# Altium PCB radxa_cm3i_io_board_v1.4.PcbDoc (part 7 of 9)
Units mil, origin at the board's own origin, x right, y up, seen from the top; angles counter-clockwise.
Board outline 7886.22 x 5511.42 mil, 4 copper layers (Top, GND, Power, Bottom), stack 35.4 mil thick; 724 components, 544 nets, 2607 pads, 3449 vias.
Unrouted connection lines stored in the file: 2847.
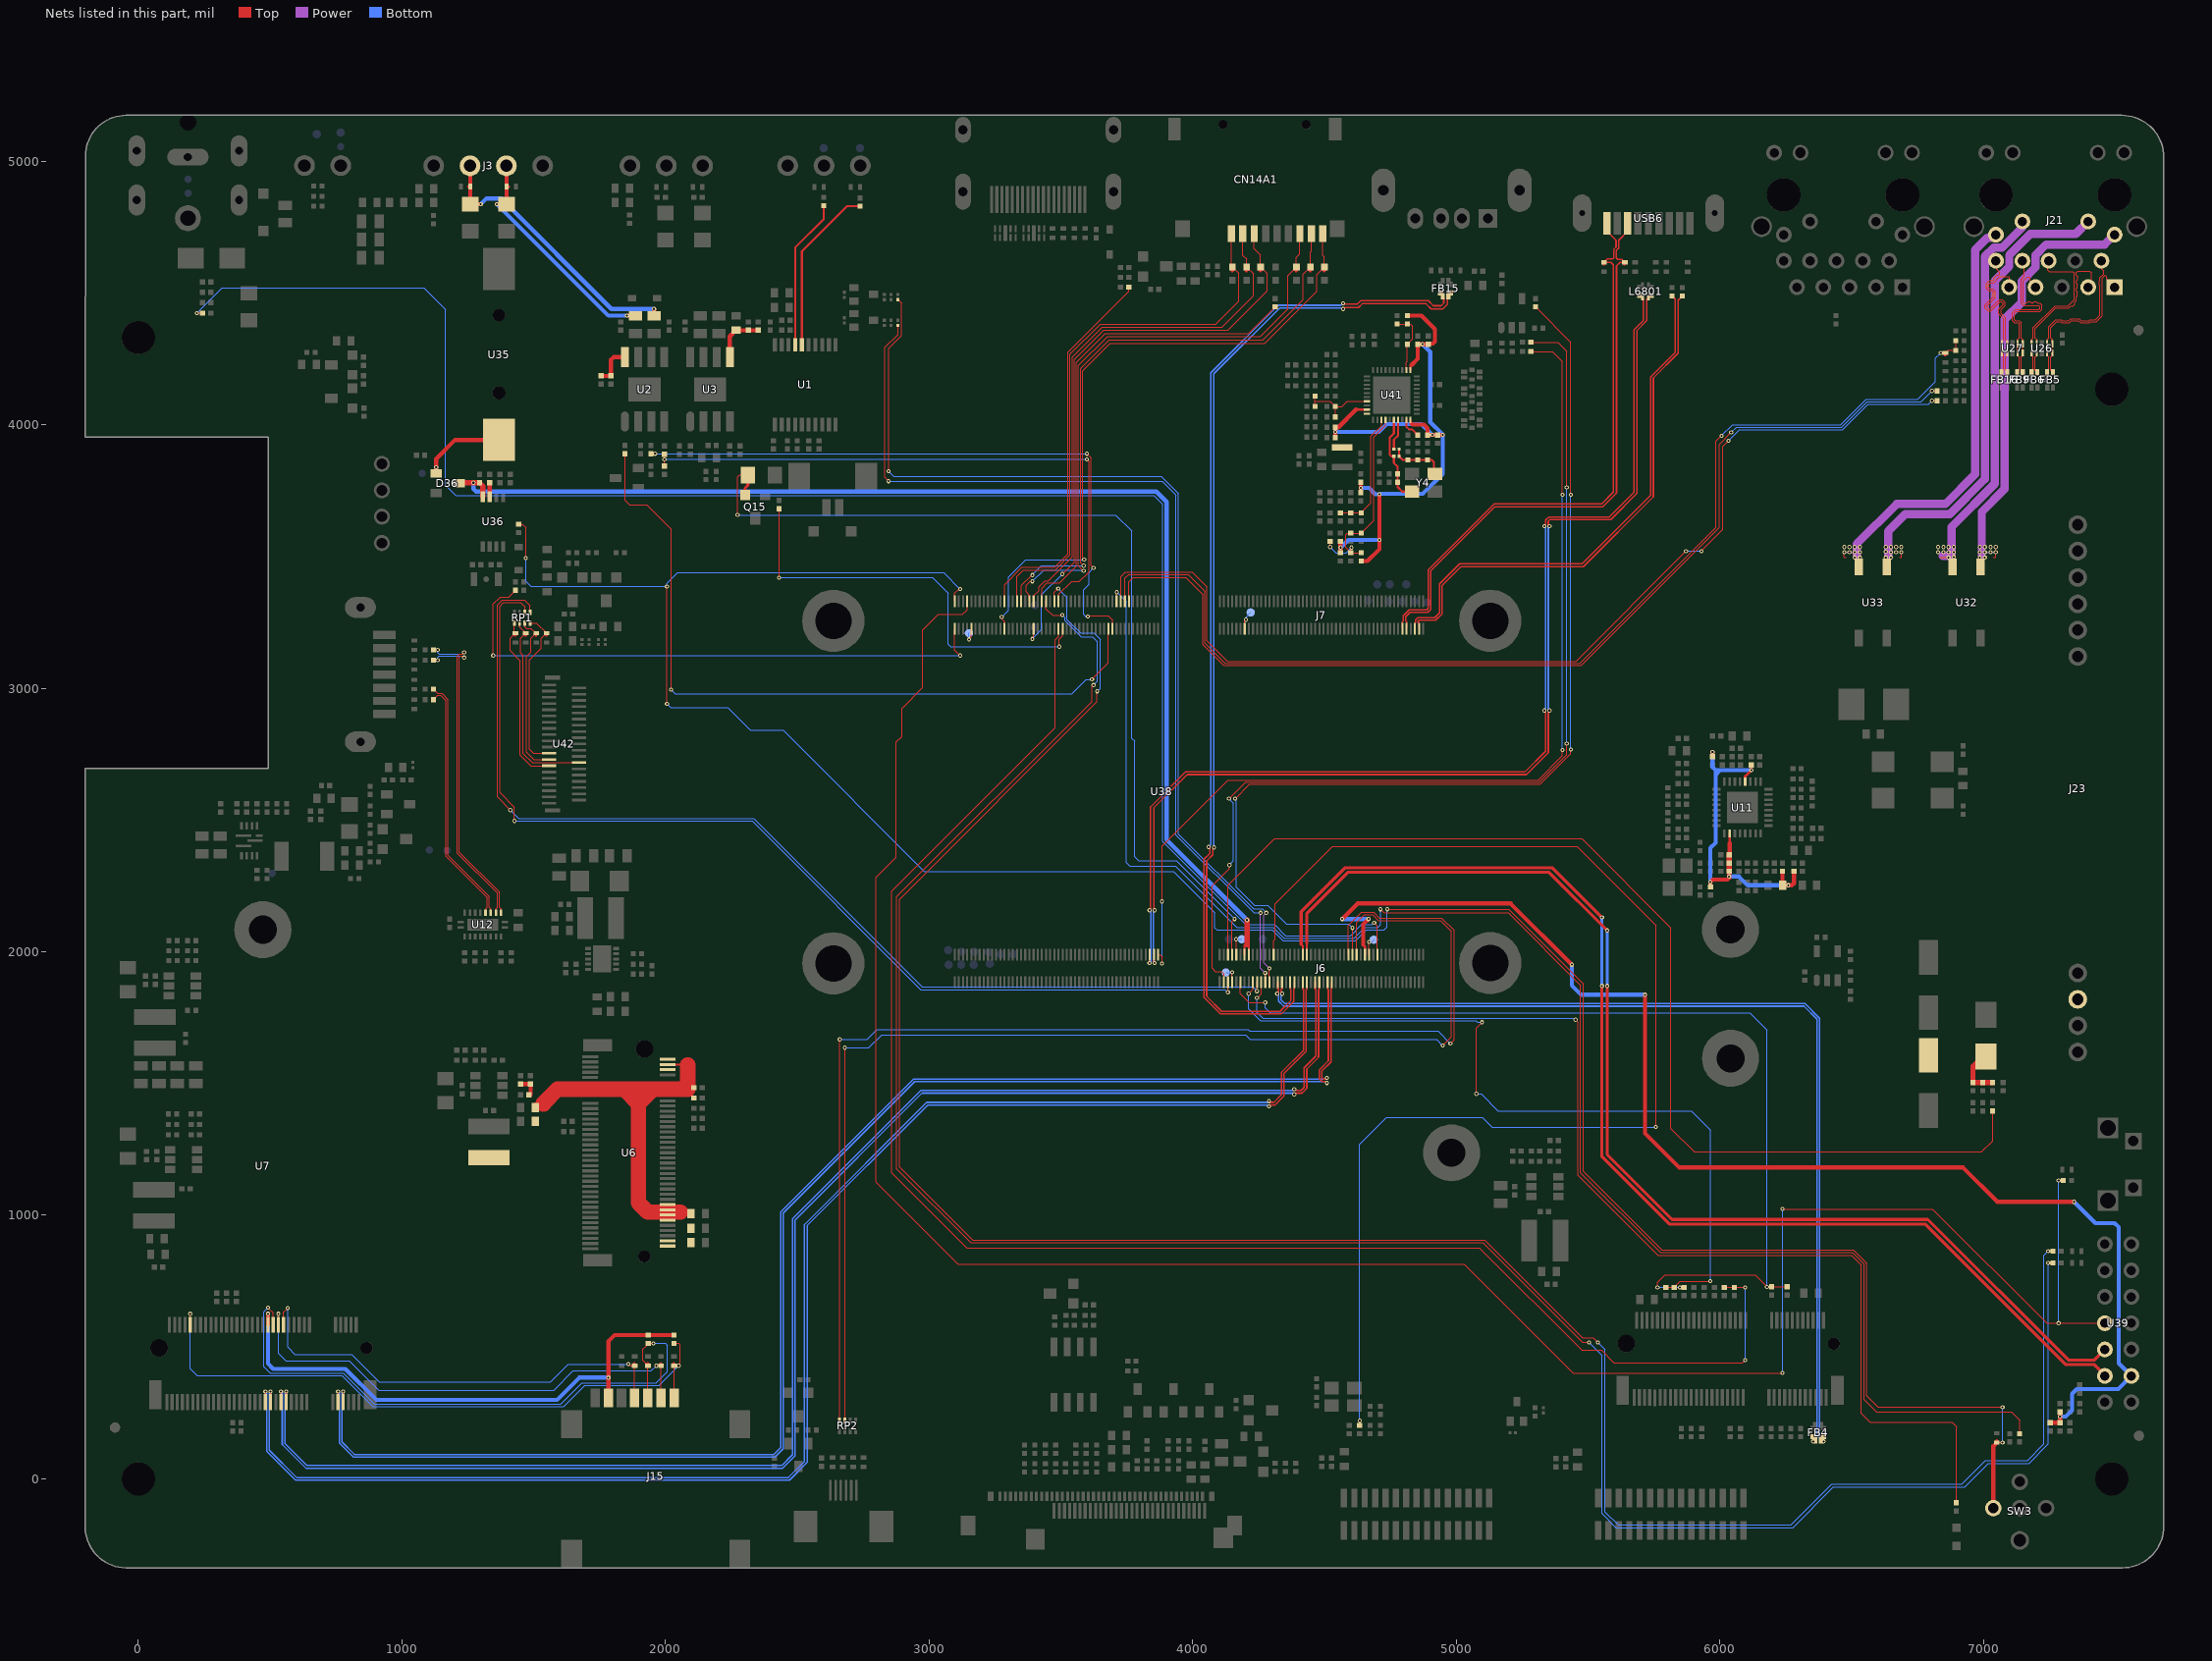
[diagram p9: the nets of this part, all layers, seen from the top]

## Via types
v1: diameter 15.75, hole 7.87, Top to Bottom, 3415 vias
v2: diameter 19.68, hole 11.81, Top to Bottom, 34 vias

## Nets (pads, with @x,y where several pads share a name; then routed paths per layer and width w, separated by ;. In a path a pad name is that pad's centre, name@x,y a point inside that pad or via, vN(x,y) a via of type N, cw(c..) or ccw(c..) an arc to the next point about the centre after c; other vN are vias at no path point) (continued)
PHY1_LED0_Y1: R234.1 U38.19 | length 4053.2
  Top w3.94: U38.19@3727.36,3329.92 3727.36,3423.23 3745.08,3440.94 3998.03,3440.94 4055.12,3383.86 4055.12,3179.13 4131.89,3102.36 5454.72,3102.36 v1(5872.05,3519.69) ; v1(5931.1,3519.69) 5931.1,3522.75 6011.81,3603.46 6011.81,3917.32 v1(6033.46,3938.98) ; v1(6805.12,4090.55) R234.1@6824.8,4090.55
  Bottom w3.94: v1(5872.05,3519.69) v1(5931.1,3519.69) ; v1(6033.46,3938.98) 6074.8,3980.31 6466.54,3980.31 6562.99,4076.77 6791.34,4076.77 v1(6805.12,4090.55)
PHY1_LED1/CFG_LDO0: C243.1 R369.1 R384.2 U41.33 | length 462.9
  Top w3.94: R384.2@4561.02,3665.35 R369.1@4600.39,3665.35 C243.1@4639.76,3665.35 4677.17,3702.76 4677.17,3956.69 4716.54,3996.06 U41.33@4716.54,4017.72
PHY1_LED1_G: D26.2 R230.2 R231.1 U38.17 | length 4273.6
  Top w3.94: U38.17@3743.11,3329.92 3743.11,3417.32 3757.87,3432.09 3983.27,3432.09 4047.24,3368.11 4047.24,3171.26 4124.02,3094.49 5470.47,3094.49 5986.22,3610.24 5986.22,3937.01 v1(6006.89,3957.68) ; v1(6838.58,4271.65) D26.2@6856.3,4271.65 6866.14,4281.5 R230.2@6895.67,4281.5 R231.1@6895.67,4318.9
  Bottom w3.94: v1(6006.89,3957.68) 6049.21,4000 6458.66,4000 6555.12,4096.46 6751.97,4096.46 6818.9,4163.39 6818.9,4251.97 v1(6838.58,4271.65)
PHY1_LED2/CFG_LDO1: C242.1 R367.1 R368.2 R375.2 R376.1 U41.34 | length 785.4
  Top w3.94: v1(4521.65,3535.43) R375.2@4521.65,3557.09 ; v1(4602.36,3533.46) 4600.39,3531.5 R376.1@4600.39,3513.78 ; R368.2@4639.76,3513.78 R376.1@4600.39,3513.78 ; U41.34@4732.28,4017.72 4732.28,3998.03 4687.01,3952.76 4687.01,3635.83 C242.1@4639.76,3588.58 R367.1@4600.39,3588.58 4586.61,3588.58 4580.71,3582.68 4580.71,3533.46 R376.1@4600.39,3513.78
  Bottom w3.94: v1(4521.65,3535.43) 4543.31,3513.78 4582.68,3513.78 v1(4602.36,3533.46)
PHY1_LED2_Y: R233.1 U38.15 | length 4011.2
  Top w3.94: U38.15@3758.86,3329.92 3758.86,3403.54 3775.59,3420.28 3973.43,3420.28 4039.37,3354.33 4039.37,3165.35 4118.11,3086.61 5474.41,3086.61 5998.03,3610.24 5998.03,3925.2 v1(6043.31,3970.47) ; v1(6805.12,4127.95) R233.1@6824.8,4127.95
  Bottom w3.94: v1(6043.31,3970.47) 6062.99,3990.16 6462.6,3990.16 6559.06,4086.61 6763.78,4086.61 v1(6805.12,4127.95)
PHY1_MDI0+: FB5.2 J21.1 U26.1 U26.10 | length 619
  Top w3.94: FB5.2@7263.78,4198.82 7255.9,4206.69 7255.9,4256.89 7261.81,4262.8 U26.10@7261.81,4272.15 U26.1@7261.81,4306.59 7261.81,4322.83 7255.91,4328.74 7255.91,4368.11 7277.56,4389.76 7293.98,4389.76 7297.92,4385.83 7326.77,4385.83 7334.65,4393.7 7360.91,4393.7 7368.79,4385.83 7403.54,4385.83 7407.48,4389.76 7428.46,4389.76 7450.79,4412.09 7450.79,4555.46 7461.73,4566.4 7468.61,4559.52 7468.61,4553.05 7498.03,4523.62 J21.1@7498.03,4521.65
PHY1_MDI0-: FB5.3 J21.2 U26.2 U26.9 | length 619.6
  Top w3.94: FB5.3@7242.13,4198.82 7248.03,4204.72 7248.03,4256.89 7242.12,4262.8 U26.9@7242.12,4272.15 U26.2@7242.12,4306.59 7242.12,4322.83 7248.03,4328.74 7248.03,4371.37 7274.3,4397.64 7297.24,4397.64 7301.18,4393.7 7323.51,4393.7 7331.38,4401.57 7364.17,4401.57 7372.05,4393.7 7400.28,4393.7 7404.22,4397.64 7425.2,4397.64 7442.91,4415.35 7442.91,4527.56 7440.94,4529.53 7440.94,4545.28 7442.91,4547.24 7442.91,4558.72 7456.16,4571.96 7456.16,4583.52 7450,4589.69 7450,4619.69 J21.2@7448.03,4621.65
PHY1_MDI1+: FB6.2 J21.3 U26.4 U26.7 | length 618.8
  Top w3.94: FB6.2@7204.72,4198.82 7196.85,4206.69 7196.85,4256.89 7202.76,4262.8 U26.7@7202.76,4272.15 U26.4@7202.76,4306.59 7202.76,4322.83 7196.85,4328.74 7196.85,4364.85 7274.91,4442.91 7324.8,4442.91 7332.68,4450.79 7340.55,4450.79 7346.46,4456.69 7346.46,4464.57 7352.36,4470.47 7352.36,4484.25 7356.3,4488.19 7356.3,4503.94 7352.36,4507.87 7352.36,4517.72 7356.3,4521.65 7356.3,4533.46 7352.36,4537.4 7352.36,4545.28 7358.27,4551.18 7358.27,4561.02 7352.36,4566.93 7352.36,4576.77 7358.27,4582.68 7403.54,4582.68 7409.45,4576.77 7409.45,4531.1 7404.46,4526.11 7402.49,4526.11 J21.3@7398.03,4521.65
PHY1_MDI1-: FB6.3 J21.6 U26.5 U26.6 | length 619.3
  Top w3.94: FB6.3@7183.07,4198.82 7183.07,4200.78 7188.98,4206.69 7188.98,4256.89 7183.07,4262.8 U26.6@7183.07,4272.15 U26.5@7183.07,4306.59 7183.07,4322.83 7188.98,4328.74 7188.98,4368.11 7271.65,4450.79 7321.54,4450.79 7344.49,4473.73 7344.49,4575.43 7339.21,4580.71 7250,4580.71 7244.09,4586.61 7244.09,4617.72 J21.6@7248.03,4621.65
PHY1_MDI2+: FB9.2 J21.7 U27.1 U27.10 | length 618.1
  Top w3.94: FB9.2@7149.61,4198.82 7143.7,4204.72 7143.7,4256.89 7149.61,4262.8 U27.10@7149.61,4272.15 U27.1@7149.61,4306.59 7149.61,4322.83 7143.7,4328.74 7143.7,4385.83 7135.83,4393.7 7122.05,4393.7 7118.11,4397.64 7118.11,4423.23 7124.02,4429.13 7214.88,4429.13 7222.44,4436.7 7222.44,4453.06 7214.88,4460.63 7206.69,4460.63 7200.79,4466.54 7192.91,4466.54 7187.01,4460.63 7183.07,4460.63 7177.17,4466.54 7169.29,4466.54 7163.39,4460.63 7154.53,4460.63 7151.57,4463.58 7151.57,4544.83 7165.8,4559.06 7173.03,4559.06 7177.4,4554.69 7177.4,4544.26 7198.03,4523.62 J21.7@7198.03,4521.65
PHY1_MDI2-: FB9.3 J21.8 U27.2 U27.9 | length 618.8
  Top w3.94: FB9.3@7127.95,4198.82 7135.82,4206.69 7135.82,4256.89 7129.92,4262.8 U27.9@7129.92,4272.15 U27.2@7129.92,4306.59 7129.92,4322.83 7135.82,4328.74 7135.82,4382.57 7132.57,4385.83 7118.79,4385.83 7110.24,4394.38 7110.24,4397.64 7110.24,4426.49 7120.75,4437.01 7211.61,4437.01 7214.57,4439.96 7214.57,4449.8 7211.61,4452.76 7151.27,4452.76 7143.7,4460.32 7143.7,4551.18 7155.51,4562.99 7155.51,4614.17 J21.8@7148.03,4621.65
PHY1_MDI3+: FB16.2 J21.9 U27.4 U27.7 | length 618.7
  Top w3.94: FB16.2@7090.55,4198.82 7084.65,4204.72 7084.65,4256.89 7090.56,4262.8 U27.7@7090.56,4272.15 U27.4@7090.56,4306.59 7090.56,4315.94 7084.65,4321.85 7084.65,4405.17 7066.93,4422.89 7066.93,4436.33 7082.42,4451.82 7082.42,4462.52 7070.85,4474.09 7060.15,4474.09 7025.65,4439.59 7021.47,4439.59 7014.51,4446.55 7014.51,4450.73 7045.28,4481.49 7045.28,4505.91 7035.43,4515.75 7024.92,4515.75 7019.68,4520.98 7019.68,4531.83 7025.25,4537.4 7039.03,4537.4 7062.47,4560.84 7094.67,4560.84 7100,4555.51 7100,4526.6 7098.03,4524.63 J21.9@7098.03,4521.65
PHY1_MDI3-: FB16.3 J21.10 U27.5 U27.6 | length 618.5
  Top w3.94: J21.10@7048.03,4621.65 7050,4619.69 7050,4589.69 7062.15,4577.54 7062.15,4571.65 7057.42,4566.93 7051.18,4566.93 7041.34,4557.09 7041.34,4550.84 7037.4,4546.91 7023.62,4546.91 7011.81,4535.1 7011.81,4517.72 7021.65,4507.87 7032.17,4507.87 7037.4,4502.64 7037.4,4484.75 7006.64,4453.99 7006.64,4443.29 7018.21,4431.72 7028.91,4431.72 7063.41,4466.22 7067.58,4466.22 7074.54,4459.26 7074.54,4455.08 7059.06,4439.59 7059.06,4419.63 7076.77,4401.91 7076.77,4321.85 7070.87,4315.94 U27.5@7070.87,4306.59 U27.6@7070.87,4272.15 7076.77,4266.24 7076.77,4206.69 FB16.3@7068.9,4198.82
PHY1_REG_OUT: L6803.1 U41.30
PHY1_RSTN: C245.1 R392.2 R393.2 U41.12 | length 239.4
  Top w3.94: R393.2@4775.59,4381.89 R392.2@4814.96,4381.89 4826.77,4381.89 4834.65,4374.02 4834.65,4324.8 C245.1@4814.96,4305.12 4814.96,4240.16 4811.02,4236.22 U41.12@4811.02,4206.69
PHY1_RXCLK/PHYAD1: C262.1 R378.1 R381.2 R400.1 U41.27 | length 291.9
  Top w3.94: R400.1@4464.57,4068.9 4464.57,4088.58 ; R381.2@4464.57,4108.27 4464.57,4088.58 ; R378.1@4541.34,4029.53 C262.1@4541.34,4068.9 ; U41.27@4661.42,4088.58 4586.61,4088.58 4566.93,4068.9 C262.1@4541.34,4068.9 ; 4464.57,4088.58 4521.65,4088.58 C262.1@4541.34,4068.9
PHY1_XTALIN: C239.1 R360.2 R361.1 U41.36 Y4.3 | length 340.9
  Top w7.87: U41.36@4763.78,4017.72 4763.78,3966.54 4748.03,3950.79 4748.03,3885.83 4753.94,3879.92 R360.2@4763.78,3879.92 4763.78,3854.33 4777.56,3840.55 C239.1@4777.56,3812.99 R361.1@4777.56,3781.5 4777.56,3763.78 4795.27,3746.07 Y4.3@4832.67,3746.07
PHY1_XTALOUT: C238.1 C240.1 R359.1 R360.1 R362.2 Y4.1 | length 215.3
  Top w7.87: R359.1@4783.46,3907.48 R360.1@4783.46,3879.92 4797.24,3866.14 C238.1@4816.93,3866.14 C240.1@4854.33,3866.14 R362.2@4891.73,3866.14 4907.48,3866.14 4915.35,3858.27 4915.35,3816.93 Y4.1@4919.3,3812.99
PHY1_XTALOUT1: R359.2 U41.37 | length 116.8
  Top w7.87: R359.2@4763.78,3907.48 4763.78,3942.91 4779.53,3958.66 U41.37@4779.53,4017.72
PI_NLED_ACTIVITY: R19.2 U38.21 | length 6235.6
  Top w3.94: U38.21@3711.61,3329.92 3711.61,3363.19 v1(3712.6,3364.17) ; v1(4712.6,2161.42) 4726.38,2147.64 5196.85,2147.64 5472.44,1872.05 5472.44,1161.42 5775.59,858.27 6503.94,858.27 6547.24,814.96 6547.24,301.18 6594.49,253.94 7106.3,253.94 7137.8,222.44 R19.2@7137.8,171.26
  Bottom w3.94: v1(3712.6,3364.17) 3748.03,3328.74 3748.03,2338.58 3761.81,2324.8 3935.04,2324.8 4167.32,2092.52 4305.12,2092.52 4346.46,2051.18 4612.2,2051.18 4653.54,2092.52 4702.76,2092.52 4712.6,2102.36 v1(4712.6,2161.42)
PMIC_EXT_EN: J7.87 P18.1 | length 71.3
  Top w3.94: J7.87@4197.64,3225.59 4197.64,3254.72 v1(4202.76,3259.84)
  Bottom w3.94: v1(4202.76,3259.84) 4202.76,3269.69 P18.1@4220.47,3287.4
PMIC_RESET_KEY: R350.1 U38.100 | length 2182.9
  Top w3.94: v1(1346.46,3124.02) 1346.46,3318.9 1374.02,3346.46 1405.51,3346.46 R350.1@1431.1,3372.05 ; U38.100@3097.44,3225.2 3097.44,3144.69 v1(3118.11,3124.02)
  Bottom w3.94: v1(1346.46,3124.02) v1(3118.11,3124.02)
PMIC_SLEEP_H: P37.1 U38.92 | length 67.4
  Top w3.94: v1(3151.57,3185.04) 3151.57,3186.02 3160.43,3194.88 U38.92@3160.43,3225.2
  Bottom w3.94: v1(3151.57,3185.04) P37.1@3151.57,3208.66
POE_12V: C213.2 C214.1 D30.1 J23.8 R313.2 R315.2 | length 239.9
  Top w3.94: R315.2@6998.03,1503.94 R315.2@6999.02,1503.94
  Top w19.68: R315.2@6999.02,1503.94 C213.2@6960.63,1503.94 ; D30.1@7009.84,1602.36 6998.03,1602.36 6960.63,1564.96 C213.2@6960.63,1503.94 ; R313.2@7035.43,1503.94 C213.2@6960.63,1503.94
PWM3_IR: J6.79 R156.1 | length 4385.2
  Top w3.94: v1(4244.09,1824.8) 4260.24,1840.94 J6.79@4260.24,1884.65 ; v1(5452.76,1742.13) 5462.6,1732.28 5462.6,1151.57 5765.75,848.43 6500,848.43 6537.4,811.02 6537.4,248.03 6570.87,214.57 6881.89,214.57 6897.64,198.82 R156.1@6897.64,-90.55
  Bottom w3.94: v1(4244.09,1824.8) 4244.09,1769.69 4265.75,1748.03 5446.85,1748.03 v1(5452.76,1742.13)
PWM8_M0: R352.1 U38.48 | length 1622.1
  Top w3.94: v1@2431.1,3421.26 2430.12,3420.28 v1(2431.1,3419.29) R352.1@2431.1,3681.1 ; v1(3494.09,3157.48) 3494.09,3186.02 3506.89,3198.82 U38.48@3506.89,3225.2
  Bottom w3.94: v1(2431.1,3419.29) 3013.78,3419.29 3072.83,3360.24 3072.83,3167.32 3082.68,3157.48 v1(3494.09,3157.48)
PWM9_M0: R52.1 R218.1 U38.50 | length 6221
  Top w3.94: U38.50@3491.14,3225.2 3491.14,3196.85 3478.35,3184.06 3478.35,2850.39 2858.27,2230.31 2858.27,1161.42 3143.7,875.98 5088.58,875.98 5476.38,488.19 5551.18,488.19 5598.43,440.94 6086.61,440.94 v1(6096.46,450.79) ; R52.1@6017.72,726.38 R218.1@6055.12,726.38 v1(6096.46,726.38)
  Bottom w3.94: v1(6096.46,450.79) v1(6096.46,726.38)
PWRON_KEY: D14.2 R351.1 SW3.1 U38.99 | length 9916.7
  Top w3.94: R351.1@1442.91,3622.05 1458.66,3622.05 1470.47,3610.24 v1(1470.47,3494.09) ; v1(2005.91,2940.94) v1(2005.91,3385.83) ; U38.99@3097.44,3329.92 3097.44,3360.24 3113.19,3375.98 v1(3118.11,3375.98) ; v1(4738.19,2161.42) 5198.82,2161.42 5482.28,1877.95 5482.28,1167.32 5781.5,868.11 6507.87,868.11 6557.09,818.9 6557.09,314.96 6600.39,271.65 v1(7072.83,271.65) ; D14.2@7051.18,137.8 v1(7072.83,137.8)
  Top w15.75: SW3.1@7038.19,-111.42 7038.19,124.8 D14.2@7051.18,137.8
  Bottom w3.94: v1(1470.47,3494.09) 1470.47,3405.51 1490.16,3385.83 v1(2005.91,3385.83) 2005.91,3397.64 2047.24,3438.98 3055.12,3438.98 v1(3118.11,3375.98) ; v1(2005.91,2940.94) 2019.69,2927.17 2236.22,2927.17 2322.83,2840.55 2446.85,2840.55 2982.28,2305.12 3927.17,2305.12 4084.65,2147.64 4084.65,2090.55 4092.52,2082.68 4301.18,2082.68 4342.52,2041.34 4618.11,2041.34 4659.45,2082.68 4726.38,2082.68 4738.19,2094.49 v1(4738.19,2161.42) ; v1(7072.83,137.8) v1(7072.83,271.65)
REFCLK_OUT: J6.74 R166.1 | length 4868.7
  Top w3.94: J6.74@4307.48,1988.58 4307.48,2041.73 4312.99,2047.24 4312.99,2181.1 4531.5,2399.61 5458.66,2399.61 5757.87,2100.39 v1(5757.87,1334.65) ; R166.1@4633.86,202.76 v1(4633.86,220.47)
  Bottom w3.94: v1(4633.86,220.47) 4633.86,1269.69 4736.22,1372.05 5098.43,1372.05 5135.83,1334.65 v1(5757.87,1334.65)
RN1_V+: J21.13 U33.1 | length 1647.1
  Top w3.94: 6681.5,3496.65 6688.98,3496.65 v1(6688.98,3515.75)
  Power w7.87: v1(6629.92,3517.72) 6637.8,3517.72 6639.14,3502.26
  Power w31.5: 6639.14,3502.26 6639.14,3595.83 6703.74,3660.43 6873.03,3660.43 7005.91,3793.31 7005.91,4637.99 7039.18,4671.26 7070.87,4671.26 7148.03,4748.43 J21.13@7148.03,4770.87
  other v1: 6629.92,3496.06 6649.61,3496.06 6649.61,3515.75 6669.29,3515.75 6629.92,3535.43 6649.61,3535.43 6669.29,3535.43 6688.98,3535.43
RN2_V+: J21.14 U33.2 | length 1636.3
  Top w3.94: v1(6472.44,3515.75) 6472.44,3496.65 6479.92,3496.65
  Power w3.94: v1(6472.44,3515.75) v1(6511.81,3515.75) ; v1(6511.81,3496.06) 6521.65,3505.91 6519.69,3505.91
  Power w31.5: 6519.69,3505.91 6519.69,3547.24 6671.26,3698.82 6856.3,3698.82 6968.5,3811.02 6968.5,4662.31 7015.64,4709.45 7036.61,4709.45 J21.14@7048.03,4720.87
  other v1: 6531.5,3496.06 6492.13,3515.75 6531.5,3515.75 6472.44,3535.43 6492.13,3535.43 6511.81,3535.43 6531.5,3535.43
RS485_A_D+: D6.2 J3.3 R13.1 R18.2 | length 1051.2
  Top w3.94: D6.2@1259.84,4901.57 D6.2@1259.84,4903.54
  Top w15.75: J3.3@1258.66,4982.28 1259.84,4981.1 D6.2@1259.84,4903.54 ; D6.2@1259.84,4901.57 R13.1@1259.84,4836.61 v1(1299.21,4836.61) ; R18.2@1956.69,4413.39 v1(1956.69,4438.98)
  Bottom w15.75: v1(1299.21,4836.61) 1320.87,4858.27 1375.98,4858.27 1795.28,4438.98 v1(1956.69,4438.98)
RS485_B_D-: D7.2 J3.2 R10.1 R15.2 | length 884.5
  Top w3.94: D7.2@1397.64,4901.57 D7.2@1397.64,4903.54
  Top w15.75: v1(1360.24,4836.61) R10.1@1397.64,4836.61 D7.2@1397.64,4901.57 ; J3.2@1396.46,4982.28 1397.64,4981.1 D7.2@1397.64,4903.54 ; v1(1854.33,4413.39) R15.2@1885.83,4413.39
  Bottom w15.75: v1(1360.24,4836.61) 1783.46,4413.39 v1(1854.33,4413.39)
RS485_RE: R17.1 U38.24 | length 2443.2
  Top w3.94: R17.1@1944.88,3889.76 v1(1960.63,3889.76) ; v1(3598.43,3889.76) 3614.17,3874.02 3614.17,3466.54 v1(3624.02,3456.69) ; v1(3602.36,3271.65) 3605.32,3274.61 3679.13,3274.61 3695.87,3257.87 U38.24@3695.87,3225.2
  Bottom w3.94: v1(1960.63,3889.76) v1(3598.43,3889.76) ; v1(3602.36,3271.65) 3594.49,3271.65 3586.61,3279.53 3586.61,3374.02 3606.3,3393.7 3606.3,3438.98 v1(3624.02,3456.69)
RSET1: R370.1 U41.39 | length 81.9
  Top w7.87: U41.39@4811.02,4017.72 4811.02,3992.13 4820.87,3982.28 4832.68,3982.28 R370.1@4854.33,3960.63
RTC_3V3: C233.1 D36.3 J6.86 J6.88 U36.8 | length 4708.8
  Top w7.87: J6.88@4197.24,1988.58 4197.24,2025.59 4206.69,2025.59 4212.99,2025.59 J6.86@4212.99,1988.58
  Top w19.68: D36.3@1216.54,3777.56 1218.51,3779.53 v1(1271.65,3779.53) C233.1@1295.28,3779.53 1307.2,3767.6 U36.8@1307.2,3726.39 ; 4206.69,2025.59 v1(4206.69,2120.08)
  Bottom w15.75: v1(1271.65,3779.53) 1271.65,3755.91 1281.5,3746.06 3862.2,3746.06 3901.57,3706.69 3901.57,2425.2 v1(4206.69,2120.08)
RTC_BATTERY: D36.1 TP9.1 U35.1 | length 370.3
  Top w15.75: v1(1129.92,3838.58) D36.1@1129.92,3814.96 1129.92,3870.08 1201.65,3941.81 U35.1@1368.11,3941.81
  Bottom w15.75: TP9.1@1129.92,3814.96 v1(1129.92,3838.58)
RTCIC_32KOUT: R346.1 U36.7 | length 53.2
  Top w15.75: R346.1@1332.68,3779.53 1332.79,3779.42 U36.7@1332.79,3726.39
RX_RS232: R1.2 U1.16 | length 645.7
  Top w7.87: U1.16@2517.72,4303.15 2517.72,4657.48 2688.98,4828.74 R1.2@2738.19,4828.74
SARADC_IN7: J6.93 P34.1 | length 60.6
  Top w3.94: v1(4149.61,1921.26) 4150,1921.26 J6.93@4150,1884.65
  Bottom w3.94: P34.1@4125.98,1921.26 v1(4149.61,1921.26)
SARADC_VIN0_KEY/RECOVERY: R37.1 U38.93 U39.7 | length 8723.4
  Top w3.94: U38.93@3144.69,3329.92 3144.69,3297.24 3126.97,3279.53 3035.43,3279.53 2976.38,3220.47 2976.38,3001.97 2897.64,2923.23 2897.64,2816.93 2875.98,2795.28 2875.98,2358.27 2799.21,2281.5 2799.21,1125.98 3110.24,814.96 5029.53,814.96 5442.91,401.57 v1(6238.19,401.57) ; v1(6238.19,1023.62) 6807.09,1023.62 7240.16,590.55 v1(7285.43,590.55) U39.7@7461.42,590.55 ; v1(7285.43,1131.89) R37.1@7303.15,1131.89
  Bottom w3.94: v1(6238.19,401.57) v1(6238.19,1023.62) ; v1(7285.43,590.55) v1(7285.43,1131.89)
SARADC_VIN1: J6.28 P14.1 | length 79.5
  Top w3.94: v1(4669.29,2037.4) 4669.69,2037.01 J6.28@4669.69,1988.58
  Bottom w3.94: v1(4669.29,2037.4) 4681.1,2037.4 4690.94,2047.24 4688.98,2045.28 P14.1@4687.01,2045.28
SARADC_VIN2_HP_HOOK: C220.1 J6.30 R320.1 R321.2 U39.12 | length 5114.3
  Top w7.87: 4647.64,2025.98 4653.94,2019.69 J6.30@4653.94,1988.58
  Top w15.75: v1(4566.93,2124.02) 4625.98,2183.07 5206.69,2183.07 v1(5438.98,1950.79) ; 4647.64,2025.98 4647.64,2104.33 v1(4667.32,2124.02) ; v1(5716.54,1836.61) 5716.54,1311.02 5846.46,1181.1 6923.23,1181.1 7053.15,1051.18 v1(7344.49,1051.18) ; C220.1@7253.94,212.6 R321.2@7291.34,212.6 v1(7291.34,236.22) R320.1@7291.34,253.94
  Bottom w15.75: v1(4566.93,2124.02) v1(4667.32,2124.02) ; v1(5438.98,1950.79) 5438.98,1872.05 5474.41,1836.61 v1(5716.54,1836.61) ; v1(7291.34,236.22) 7312.99,236.22 7336.61,259.84 7336.61,322.83 7354.72,340.94 7511.81,340.94 U39.12@7561.42,390.55 7513.78,438.19 7513.78,954.72 7498.03,970.47 7425.2,970.47 v1(7344.49,1051.18)
SARADC_VIN3: J6.92 P16.1 | length 80.5
  Top w3.94: v1(4165.35,2047.24) 4165.75,2046.85 J6.92@4165.75,1988.58
  Bottom w3.94: v1(4165.35,2047.24) P16.1@4187.01,2047.24
SARADC_VIN4: J6.94 Q15.2 R353.1 | length 3644.8
  Top w3.94: v1(2273.62,3657.48) 2273.62,3801.18 2281.5,3809.06 R353.1@2312.99,3809.06 ; J6.94@4150,1988.58 4150,2114.17 4159.45,2123.62 v1(4159.45,2124.02)
  Top w11.81: Q15.2@2302.55,3733.51 2302.55,3760.06 2312.99,3770.5 R353.1@2312.99,3809.06
  Bottom w3.94: v1(2273.62,3657.48) 3708.46,3657.48 3769.69,3596.26 3769.69,2809.06 3779.53,2799.21 3779.53,2360.24 3795.28,2344.49 3938.98,2344.49 v1(4159.45,2124.02)
SARADC_VIN5: J6.96 R316.1 | length 4308.2
  Top w3.94: J6.96@4134.25,1988.58 4134.25,2252.36 4311.02,2429.13 5476.38,2429.13 5814.96,2090.55 5814.96,1328.74 5903.54,1240.16 6994.09,1240.16 7035.43,1281.5 R316.1@7035.43,1395.67
SARADC_VIN6: J6.24 R189.1 | length 6834.1
  Top w3.94: v1(222.44,4423.23) R189.1@244.09,4423.23 ; v1(4688.98,2110.24) 4701.18,2098.03 J6.24@4701.18,1988.58
  Bottom w3.94: v1(222.44,4423.23) 318.9,4519.69 1082.68,4519.69 1165.35,4437.01 1165.35,3769.69 1204.72,3730.31 3852.36,3730.31 3885.83,3696.85 3885.83,2417.32 4200.79,2102.36 4311.02,2102.36 4352.36,2061.02 4600.39,2061.02 4641.73,2102.36 4681.1,2102.36 v1(4688.98,2110.24)